# Altium PCB H-00488.PcbDoc (part 2 of 9) (continued)
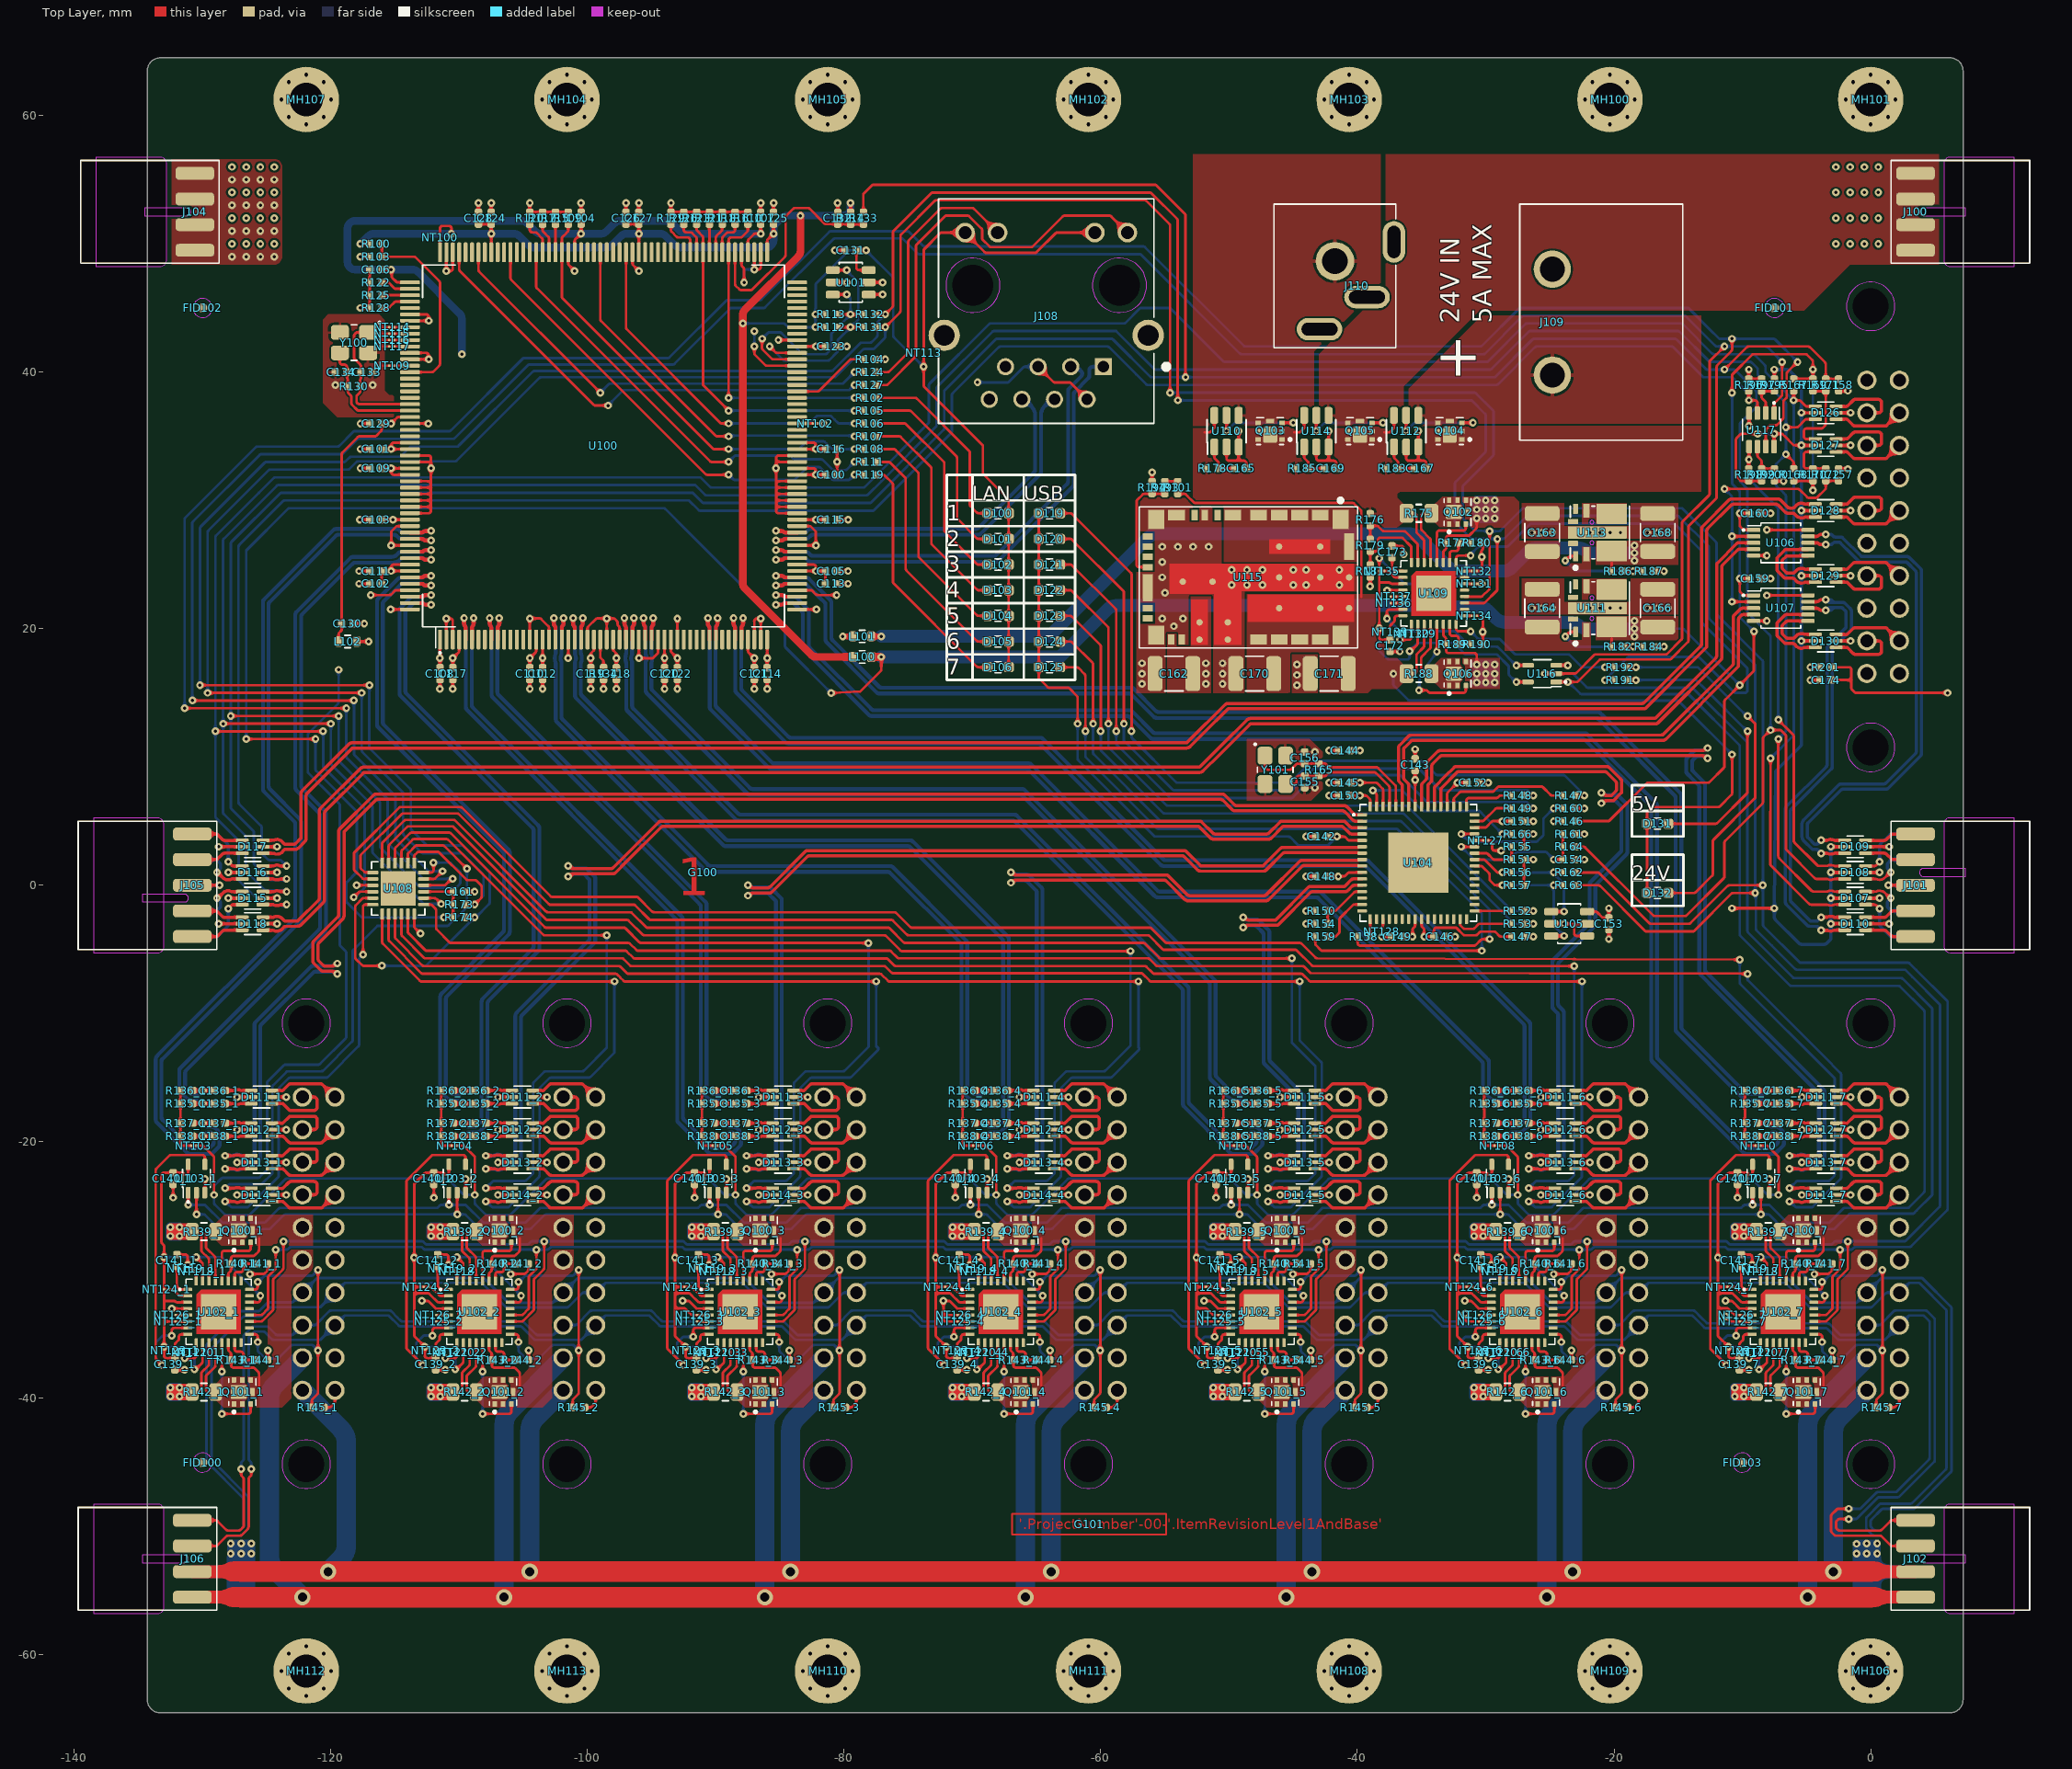
[diagram p0: Top Layer view]
## Footprints (in the part's own frame and the unit in brackets; to place one, negate y for a bottom-side part, rotate by r counter-clockwise, add the part's x,y. Pads: shape width x height; smd on the part's side, far side on the other; paste and mask are expansions set on the pad) (continued)
  round 1.5 hole 1 paste-1.5: A1(-11.43,-1.27) A2(-8.89,-1.27) A3(-6.35,-1.27) A4(-3.81,-1.27) A5(-1.27,-1.27) A6(1.27,-1.27) A7(3.81,-1.27) A8(6.35,-1.27) A9(8.89,-1.27) A10(11.43,-1.27) B1(-11.43,1.27) B2(-8.89,1.27) B3(-6.35,1.27) B4(-3.81,1.27) B5(-1.27,1.27) B6(1.27,1.27) B7(3.81,1.27) B8(6.35,1.27) B9(8.89,1.27) B10(11.43,1.27)
  round 1 hole 2.8 unplated paste-1 mask+0.9: M1(-17.19,0.97) M2(17.19,0.97)
  Keep-Out Layer circle w0.025: c17.19,0.97 r1.89
  Keep-Out Layer circle w0.025: c-17.19,0.97 r1.89
  silkscreen extent -19.95,-5.05 19.95,4.1, body extent -19.95,-4 19.95,4, height 11.61
HIBER_LOGO_COPPER_55x40 [mm] "Hiber Logo, Inverted, Copper, 5.5 x 4.0 mm"
  Top Layer pour cut-out: -2.159,2.921 2.159,2.921 2.159,-2.921 -2.159,-2.921
HIBER_PNSN_COPPER [mm] "Hiber PNSN, Copper Layer"
  Top Layer pour cut-out: -5.9,0.7 5.9,0.7 5.9,-0.7 -5.9,-0.7
  Top Layer lines w0.15: -6,-0.8 6,-0.8 6,0.8 -6,0.8 -6,-0.8
LABEL_200X65_OVERLAY [mm] "Label Placeholder; 1 pin, 20.00 mm L X 6.50 mm W X 0.00 mm H body"
  silkscreen extent -9.5,-3.25 9.5,3.25, body extent -9.4,-3.15 9.4,3.15, height 0.2
LEDC170X80X80L20_GREEN [mm] "LED, Chip; 1.70 mm L X 0.80 mm W X 0.80 mm H body"
  rrect50% 0.8x0.8 smd: A(0.825,0) C(-0.825,0)
  silkscreen extent -0.25,-0.43 0.25,0.43, body extent -0.8,-0.4 0.8,0.4, height 0.6
MOLEX_387007502 [mm] "Connector, Terminal Block; 2 pin, 18.40 mm L X 12.70 mm W X 12.70 mm H body (Molex - )"
  round 2.91 hole 1.94 paste-2.91: 1(-4.13,3.81) 2(4.13,3.81)
  silkscreen extent -9.2,-6.35 9.2,6.35, body extent -9.27,-6.35 9.27,6.35, height 12.71
MTGP510H260V8H25 [mm] "Mounting Hole, Plated; 5.10 mm Pad, 2.60 mm Hole (with 8 vias) (Pan Head - M2.5 - Tight Fit)"
  round 5.1 hole 2.6 paste-5.1: 1(0,0)
NEXPERIA_SOT1220 [mm] "Quad Flat No-Lead (QFN with Tab), 0.65 mm pitch; 8 pin, 2.10 mm L X 2.10 mm W X 0.65 mm H body (Nexperia - SOT1220)"
  rrect25% 0.35x0.43 smd: 1(-0.65,-0.935) 2(0,-0.935) 3(0.65,-0.935) 4(0.65,0.935) 5(0,0.935) 6(-0.65,0.935)
  rrect25% 1.25x1.1 smd paste-0.096: 7(-0.285,0)
  rrect25% 0.35x0.66 smd: 8(0.775,0)
  silkscreen extent -1.05,-1.65 1.05,1.05, body extent -1.05,-1.05 1.05,1.05, height 0.65
NT200 [mm]
  round 0.2 smd paste-1 mask+0.102: 1(-0.2,0) 2(0.2,0)
  Top Layer region: -0.2,-0.099 0.2,-0.099 0.2,0.101 -0.2,0.101
OSCCC320X250X60L90X110 [mm] "Oscillator, Corner Concave; 3.20 mm L X 2.50 mm W X 0.60 mm H body (Epson - TSX-3225)"
  rrect43% 1.4x1.15 smd: 1(-1.1,-0.8) 2(1.1,-0.8) 3(1.1,0.8) 4(-1.1,0.8)
  silkscreen extent -2.07,-1.64 0.22,1.39, body extent -1.6,-1.25 1.6,1.25, height 0.6
QFN25P50_400X400X100L40X24T270 [mm] "Quad Flat No-Lead (QFN with Tab), 0.50 mm pitch; square, 6 pin X 6 pin, 4.00 mm L X 4.00 mm W X 1.00 mm H body (Texas Instruments - RGE S-PVQFN-N24)"
  rrect50% 0.28x0.85 smd: 1(-1.25,-1.975) 2(-0.75,-1.975) 3(-0.25,-1.975) 4(0.25,-1.975) 5(0.75,-1.975) 6(1.25,-1.975) 13(1.25,1.975) 14(0.75,1.975) 15(0.25,1.975) 16(-0.25,1.975) 17(-0.75,1.975) 18(-1.25,1.975)
  rrect50% 0.85x0.28 smd: 7(1.975,-1.25) 8(1.975,-0.75) 9(1.975,-0.25) 10(1.975,0.25) 11(1.975,0.75) 12(1.975,1.25) 19(-1.975,1.25) 20(-1.975,0.75) 21(-1.975,0.25) 22(-1.975,-0.25) 23(-1.975,-0.75) 24(-1.975,-1.25)
  rect 2.7x2.7 smd paste-2.7: 25(0,0)
  silkscreen extent -2.08,-2.08 2.08,2.08, body extent -2.05,-2.05 2.05,2.05, height 1
QFN33P50_500X500X80L40X25T345 [mm] "Quad Flat No-Lead (QFN with Tab), 0.50 mm pitch; square, 8 pin X 8 pin, 5.00 mm L X 5.00 mm W X 0.80 mm H body (Analog Devices - 05-08-1693 UH32)"
  rrect56% 0.25x0.7 smd: 1(-1.75,-2.4) 2(-1.25,-2.4) 3(-0.75,-2.4) 4(-0.25,-2.4) 5(0.25,-2.4) 6(0.75,-2.4) 7(1.25,-2.4) 8(1.75,-2.4) 17(1.75,2.4) 18(1.25,2.4) 19(0.75,2.4) 20(0.25,2.4) 21(-0.25,2.4) 22(-0.75,2.4) 23(-1.25,2.4) 24(-1.75,2.4)
  rrect56% 0.7x0.25 smd: 9(2.4,-1.75) 10(2.4,-1.25) 11(2.4,-0.75) 12(2.4,-0.25) 13(2.4,0.25) 14(2.4,0.75) 15(2.4,1.25) 16(2.4,1.75) 25(-2.4,1.75) 26(-2.4,1.25) 27(-2.4,0.75) 28(-2.4,0.25) 29(-2.4,-0.25) 30(-2.4,-0.75) 31(-2.4,-1.25) 32(-2.4,-1.75)
  rect 2.75x2.75 smd paste-2.75 mask-2.75: 33(0,0)
  Top Layer region: 1.725,-1.725 -1.375,-1.725 -1.725,-1.375 -1.725,1.725 1.725,1.725 1.725,-1.725
  silkscreen extent -2.55,-3.09 2.55,2.55, body extent -2.55,-2.55 2.55,2.55, height 0.8
QFN65P50_900X900X100L40X24T470N [mm] "Quad Flat No-Lead (QFN with Tab), 0.50 mm pitch; square, 16 pin X 16 pin, 9.00 mm L X 9.00 mm W X 1.00 mm H body (Microchip - 64-QFN)"
  rrect54% 0.26x0.76 smd: 1(-3.75,-4.385) 2(-3.25,-4.385) 3(-2.75,-4.385) 4(-2.25,-4.385) 5(-1.75,-4.385) 6(-1.25,-4.385) 7(-0.75,-4.385) 8(-0.25,-4.385) 9(0.25,-4.385) 10(0.75,-4.385) 11(1.25,-4.385) 12(1.75,-4.385) 13(2.25,-4.385) 14(2.75,-4.385) 15(3.25,-4.385) 16(3.75,-4.385) 33(3.75,4.385) 34(3.25,4.385) 35(2.75,4.385) 36(2.25,4.385) 37(1.75,4.385) 38(1.25,4.385) 39(0.75,4.385) 40(0.25,4.385) 41(-0.25,4.385) 42(-0.75,4.385) 43(-1.25,4.385) 44(-1.75,4.385) 45(-2.25,4.385) 46(-2.75,4.385) 47(-3.25,4.385) 48(-3.75,4.385)
  rrect54% 0.76x0.26 smd: 17(4.385,-3.75) 18(4.385,-3.25) 19(4.385,-2.75) 20(4.385,-2.25) 21(4.385,-1.75) 22(4.385,-1.25) 23(4.385,-0.75) 24(4.385,-0.25) 25(4.385,0.25) 26(4.385,0.75) 27(4.385,1.25) 28(4.385,1.75) 29(4.385,2.25) 30(4.385,2.75) 31(4.385,3.25) 32(4.385,3.75) 49(-4.385,3.75) 50(-4.385,3.25) 51(-4.385,2.75) 52(-4.385,2.25) 53(-4.385,1.75) 54(-4.385,1.25) 55(-4.385,0.75) 56(-4.385,0.25) 57(-4.385,-0.25) 58(-4.385,-0.75) 59(-4.385,-1.25) 60(-4.385,-1.75) 61(-4.385,-2.25) 62(-4.385,-2.75) 63(-4.385,-3.25) 64(-4.385,-3.75)
  rect 4.7x4.7 smd paste-4.7: 65(0,0)
  silkscreen extent -4.55,-5.11 4.55,4.55, body extent -4.55,-4.55 4.55,4.55, height 1
QFP208P50_3120X3120X410L88X22N [mm] "Quad Flat Pack (QFP), 0.50 mm pitch; square, 52 pin X 52 pin, 28.00 mm L X 28.00 mm W X 4.10 mm H body (Micrel - 208-Pin PQFP PQ)"
  rrect53% 0.3x1.54 smd: 1(-12.75,-15.09) 2(-12.25,-15.09) 3(-11.75,-15.09) 4(-11.25,-15.09) 5(-10.75,-15.09) 6(-10.25,-15.09) 7(-9.75,-15.09) 8(-9.25,-15.09) 9(-8.75,-15.09) 10(-8.25,-15.09) 11(-7.75,-15.09) 12(-7.25,-15.09) 13(-6.75,-15.09) 14(-6.25,-15.09) 15(-5.75,-15.09) 16(-5.25,-15.09) 17(-4.75,-15.09) 18(-4.25,-15.09) 19(-3.75,-15.09) 20(-3.25,-15.09) 21(-2.75,-15.09) 22(-2.25,-15.09) 23(-1.75,-15.09) 24(-1.25,-15.09) 25(-0.75,-15.09) 26(-0.25,-15.09) 27(0.25,-15.09) 28(0.75,-15.09) 29(1.25,-15.09) 30(1.75,-15.09) 31(2.25,-15.09) 32(2.75,-15.09) 33(3.25,-15.09) 34(3.75,-15.09) 35(4.25,-15.09) 36(4.75,-15.09) 37(5.25,-15.09) 38(5.75,-15.09) 39(6.25,-15.09) 40(6.75,-15.09) 41(7.25,-15.09) 42(7.75,-15.09) 43(8.25,-15.09) 44(8.75,-15.09) 45(9.25,-15.09) 46(9.75,-15.09) 47(10.25,-15.09) 48(10.75,-15.09) 49(11.25,-15.09) 50(11.75,-15.09) 51(12.25,-15.09) 52(12.75,-15.09) 105(12.75,15.09) 106(12.25,15.09) 107(11.75,15.09) 108(11.25,15.09) 109(10.75,15.09) 110(10.25,15.09) 111(9.75,15.09) 112(9.25,15.09) 113(8.75,15.09) 114(8.25,15.09) 115(7.75,15.09) 116(7.25,15.09) 117(6.75,15.09) 118(6.25,15.09) 119(5.75,15.09) 120(5.25,15.09) 121(4.75,15.09) 122(4.25,15.09) 123(3.75,15.09) 124(3.25,15.09) 125(2.75,15.09) 126(2.25,15.09) 127(1.75,15.09) 128(1.25,15.09) 129(0.75,15.09) 130(0.25,15.09) 131(-0.25,15.09) 132(-0.75,15.09) 133(-1.25,15.09) 134(-1.75,15.09) 135(-2.25,15.09) 136(-2.75,15.09) 137(-3.25,15.09) 138(-3.75,15.09) 139(-4.25,15.09) 140(-4.75,15.09) 141(-5.25,15.09) 142(-5.75,15.09) 143(-6.25,15.09) 144(-6.75,15.09) 145(-7.25,15.09) 146(-7.75,15.09) 147(-8.25,15.09) 148(-8.75,15.09) 149(-9.25,15.09) 150(-9.75,15.09) 151(-10.25,15.09) 152(-10.75,15.09) 153(-11.25,15.09) 154(-11.75,15.09) 155(-12.25,15.09) 156(-12.75,15.09)
  rrect53% 1.54x0.3 smd: 53(15.09,-12.75) 54(15.09,-12.25) 55(15.09,-11.75) 56(15.09,-11.25) 57(15.09,-10.75) 58(15.09,-10.25) 59(15.09,-9.75) 60(15.09,-9.25) 61(15.09,-8.75) 62(15.09,-8.25) 63(15.09,-7.75) 64(15.09,-7.25) 65(15.09,-6.75) 66(15.09,-6.25) 67(15.09,-5.75) 68(15.09,-5.25) 69(15.09,-4.75) 70(15.09,-4.25) 71(15.09,-3.75) 72(15.09,-3.25) 73(15.09,-2.75) 74(15.09,-2.25) 75(15.09,-1.75) 76(15.09,-1.25) 77(15.09,-0.75) 78(15.09,-0.25) 79(15.09,0.25) 80(15.09,0.75) 81(15.09,1.25) 82(15.09,1.75) 83(15.09,2.25) 84(15.09,2.75) 85(15.09,3.25) 86(15.09,3.75) 87(15.09,4.25) 88(15.09,4.75) 89(15.09,5.25) 90(15.09,5.75) 91(15.09,6.25) 92(15.09,6.75) 93(15.09,7.25) 94(15.09,7.75) 95(15.09,8.25) 96(15.09,8.75) 97(15.09,9.25) 98(15.09,9.75) 99(15.09,10.25) 100(15.09,10.75) 101(15.09,11.25) 102(15.09,11.75) 103(15.09,12.25) 104(15.09,12.75) 157(-15.09,12.75) 158(-15.09,12.25) 159(-15.09,11.75) 160(-15.09,11.25) 161(-15.09,10.75) 162(-15.09,10.25) 163(-15.09,9.75) 164(-15.09,9.25) 165(-15.09,8.75) 166(-15.09,8.25) 167(-15.09,7.75) 168(-15.09,7.25) 169(-15.09,6.75) 170(-15.09,6.25) 171(-15.09,5.75) 172(-15.09,5.25) 173(-15.09,4.75) 174(-15.09,4.25) 175(-15.09,3.75) 176(-15.09,3.25) 177(-15.09,2.75) 178(-15.09,2.25) 179(-15.09,1.75) 180(-15.09,1.25) 181(-15.09,0.75) 182(-15.09,0.25) 183(-15.09,-0.25) 184(-15.09,-0.75) 185(-15.09,-1.25) 186(-15.09,-1.75) 187(-15.09,-2.25) 188(-15.09,-2.75) 189(-15.09,-3.25) 190(-15.09,-3.75) 191(-15.09,-4.25) 192(-15.09,-4.75) 193(-15.09,-5.25) 194(-15.09,-5.75) 195(-15.09,-6.25) 196(-15.09,-6.75) 197(-15.09,-7.25) 198(-15.09,-7.75) 199(-15.09,-8.25) 200(-15.09,-8.75) 201(-15.09,-9.25) 202(-15.09,-9.75) 203(-15.09,-10.25) 204(-15.09,-10.75) 205(-15.09,-11.25) 206(-15.09,-11.75) 207(-15.09,-12.25) 208(-15.09,-12.75)
  silkscreen extent -14.1,-16.2 14.1,14.1, body extent -15.6,-15.6 15.6,15.6, height 4.1
RESC100X50X40L25N [mm] "Resistor, Chip; 1.00 mm L X 0.50 mm W X 0.40 mm H body (Panasonic - Inch 0402, Metric 1005)"
  rrect52% 0.54x0.58 smd: 1(-0.48,0) 2(0.48,0)
  body extent -0.5,-0.25 0.5,0.25, height 0.4
RESC200X125X70L40M [mm] "Resistor, Chip; 2.00 mm L X 1.25 mm W X 0.70 mm H body (Panasonic - Inch 0805, Metric 2012)"
  rrect46% 1.09x1.48 smd: 1(-0.965,0) 2(0.965,0)
  silkscreen extent -0.2,-0.68 0.2,0.68, body extent -1,-0.63 1,0.63, height 0.7
RESC200X125X70L40N [mm] "Resistor, Chip; 2.00 mm L X 1.25 mm W X 0.70 mm H body (Panasonic - Inch 0805, Metric 2012)"
  rrect51% 0.99x1.38 smd: 1(-0.915,0) 2(0.915,0)
  silkscreen extent -0.24,-0.68 0.24,0.68, body extent -1,-0.63 1,0.63, height 0.7
SOP10P50_300X490X110L55X25 [mm] "Small Outline Pkg (SOP), 0.50 mm pitch; 10 pin, 3.00 mm L X 3.00 mm W X 1.10 mm H body (ON Semiconductor - CASE 846B-03)"
  rrect50% 0.32x1.04 smd: 1(-1,-2.12) 2(-0.5,-2.12) 3(0,-2.12) 4(0.5,-2.12) 5(1,-2.12) 6(1,2.12) 7(0.5,2.12) 8(0,2.12) 9(-0.5,2.12) 10(-1,2.12)
  silkscreen extent -1.55,-2.98 1.55,1.55, body extent -1.5,-2.45 1.5,2.45, height 1.1
SOT23-5P65_210X110L36X22 [mm] "Small Outline Transistor (SOT23), 0.65 mm pitch; 5 pin, 2.00 mm L X 1.25 mm W X 1.10 mm H body (Texas Instruments - DCK R-PDSO-G5)"
  rrect53% 0.38x0.9 smd: 1(-0.65,-1.1) 2(0,-1.1) 3(0.65,-1.1) 4(0.65,1.1) 5(-0.65,1.1)
  silkscreen extent -1.08,-1.89 1.08,0.7, body extent -1,-1.05 1,1.05, height 1.1
SOT23-6P95_270X145L35X35 [mm] "Small Outline Transistor (SOT23), 0.95 mm pitch; 6 pin, 2.90 mm L X 1.55 mm W X 1.45 mm H body (Microchip - SOT23-6)"
  rrect50% 0.6x1.1 smd: 1(-0.95,-1.4) 2(0,-1.4) 3(0.95,-1.4) 4(0.95,1.4) 5(0,1.4) 6(-0.95,1.4)
  silkscreen extent -1.55,-0.9 1.55,0.9, body extent -1.45,-1.35 1.45,1.35, height 1.45
SOT23-6P95_280X110L45X40M [mm] "Small Outline Transistor (SOT23), 0.95 mm pitch; 6 pin, 2.90 mm L X 1.60 mm W X 1.10 mm H body (Texas Instruments - DDC0006A)"
  rrect49% 0.61x1.3 smd: 1(-0.95,-1.23) 2(0,-1.23) 3(0.95,-1.23) 4(0.95,1.23) 5(0,1.23) 6(-0.95,1.23)
  silkscreen extent -1.53,-1.81 1.53,0.88, body extent -1.45,-1.4 1.45,1.4, height 1.1
SOT23-8P65_280X110L45X30 [mm] "Small Outline Transistor (SOT23), 0.65 mm pitch; 8 pin, 2.90 mm L X 1.60 mm W X 1.10 mm H body (Texas Instruments - DDF0008A)"
  rrect49% 0.45x1.05 smd: 1(-0.975,-1.3) 2(-0.325,-1.3) 3(0.325,-1.3) 4(0.975,-1.3) 5(0.975,1.3) 6(0.325,1.3) 7(-0.325,1.3) 8(-0.975,1.3)
  silkscreen extent -1.48,-2.17 1.48,0.83, body extent -1.45,-1.4 1.45,1.4, height 1.1
TI_RKH0009A [mm] "Quad Flat No-Lead (QFN with Tab); 9 pin, 4.50 mm L X 4.00 mm W X 2.10 mm H body (Texas Instruments - RKH0009A)"
  rrect25% 0.4x0.8 smd paste-0.05 mask-0.05: 1(-1.9,-1.85) 6(-1.9,1.85)
  rrect20% 0.5x1.1 smd paste-0.05 mask-0.05: 2(-1.05,-1.7) 5(-1.05,1.7)
  rrect6% 2.35x1.6 smd paste-2.35 mask-2.35: 3(0.925,-1.45) 4(0.925,1.45)
  rrect25% 0.8x0.4 smd paste-0.05 mask-0.05: 7(-2.1,0.85) 9(-2.1,-0.85)
  rrect10% 4.6x0.96 smd paste-4.6 mask-4.6: 8(-0.2,0)
  Top Layer keep-out circle w0.025: c-0.625,0.8 r0.15
  Top Layer keep-out circle w0.025: c-0.625,-0.8 r0.15
  silkscreen extent -2.3,-2.87 2.3,2.05, body extent -2.25,-2 2.25,2, height 2.11
TI_RLX0041A [mm] "Quad Flat Pack (QFP with Tab); 41 pin, 10.00 mm L X 16.00 mm W X 4.10 mm H body (Texas Instruments - RLX0041A)"
  rect 1.5x1.27 smd paste-1.5 mask-1.5: 1(-4.5,7.185) 11(-4.5,-7.185) 19(4.5,-7.185) 28(4.5,7.185)
  rect 0.8x1.3 smd paste-1.3 mask-1.3: 2(-4.85,5.6) 3(-4.85,4) 4(-4.85,2.4) 5(-4.85,0.8) 6(-4.85,-1.2) 10(-4.85,-5.6) 24(4.85,0.8) 25(4.85,2.4) 26(4.85,4) 27(4.85,5.6)
  rect 0.8x0.5 smd paste-0.05 mask-0.05: 7(-4.85,-2.4) 8(-4.85,-3.4) 9(-4.85,-4.2) 20(4.85,-6) 21(4.85,-5.2)
  rect 0.5x0.8 smd paste-0.05 mask-0.05: 12(-3.2,-7.85) 13(-2.4,-7.85) 14(-1.6,-7.85) 15(-0.8,-7.85) 17(2.4,-7.85) 18(3.2,-7.85)
  rect 2.1x0.8 smd paste-2.1 mask-2.1: 16(0.8,-7.85) 31(-2.4,7.85)
  round 0.5 smd paste-0.5 mask-0.5: 22(4.85,-3.8) 23(4.85,-1.6) 29(2.4,7.85) 30(0,7.85) 32(-2.397,5.6) 33(-2.4,2.4) 34(0,5.6) 35(0,2.4) 36(2.4,5.6) 37(2.4,2.4) 38(3.5,-1.6) 39(3.5,-3.8) 40(0.335,-2.79) 41(0.335,-5.11)
  Top Layer region: 5.25,-4.45 1.75,-4.45 1.75,-3.15 5.25,-3.15
  Top Layer region: 1.35,-0.05 1.35,8.25 3.45,8.25 3.45,-0.05 1.35,-0.05
  Top Layer region: -1.05,8.25 1.05,8.25 1.05,-0.55 5.25,-0.55 5.25,-2.65 1.26,-2.65 1.26,-6.12 -1.05,-6.12 -1.05,8.25
  Top Layer region: -2.95,1.63 -2.95,6.37 -1.85,6.37 -1.85,1.63 -2.95,1.63
  silkscreen extent -6.15,-8.51 5.51,8.51, body extent -5,-7.96 5,8.04, height 4.1
TITLEBLOCK-A4 [mm]
WURTH_74990101241 [mm] "Connector, RJ45 Vertical; 14 pin, 16.80 mm L X 17.50 mm W X 17.50 mm H body (Wurth - 74990101241)"
  rect 1.34x1.34 / inner round 1.34 / far side rect 1.34x1.34 hole 0.89 paste-1.34: 1(-4.45,4.33)
  round 1.34 hole 0.89 paste-1.34: 2(-3.18,6.87) 3(-1.91,4.33) 4(-0.64,6.87) 5(0.63,4.33) 6(1.9,6.87) 7(3.17,4.33) 8(4.44,6.87)
  round 1.53 hole 1.02 paste-1.53: 9(-6.325,-6.13) 10(-3.785,-6.13) 11(3.785,-6.13) 12(6.325,-6.13)
  round 2.45 hole 1.63 paste-2.45: M1(-7.95,1.88) M2(7.95,1.88)
  round 1 hole 3.2 unplated paste-1 mask+1.1: M3(-5.715,-2.02) M4(5.715,-2.02)
  Keep-Out Layer circle w0.025: c5.715,-2.02 r2.11
  Keep-Out Layer circle w0.025: c-5.715,-2.02 r2.11
  silkscreen extent -9.55,-8.75 8.4,8.75, body extent -8.3,-8.73 8.3,8.17, height 17.01

## Part data
C100 C101 C102 C103 C104 C105 C106 C107 C108 C109 C110 C111 C112 C113 C114 C115 C116 C117 C118 C119 C120 C121 C122 C123 C124 C125 C126 C127 C128 C129 C130 C131 C132 C135_1 C135_2 C135_3 C135_4 C135_5 C135_6 C135_7 C136_1 C136_2 C136_3 C136_4 C136_5 C136_6 C136_7 C137_1 C137_2 C137_3 C137_4 C137_5 C137_6 C137_7 C138_1 C138_2 C138_3 C138_4 C138_5 C138_6 C138_7 C139_1 C139_2 C139_3 C139_4 C139_5 C139_6 C139_7 C140_1 C140_2 C140_3 C140_4 C140_5 C140_6 C140_7 C141_1 C141_2 C141_3 C141_4 C141_5 C141_6 C141_7 C143 C144 C146 C149 C150 C151 C152 C153 C154 C157 C158 C159 C160 C161 C172 C173 C174: library part CMP-00367-3, "CAP Standard 0402 (1005) 100,0nF 10V X7R (Standard)", Case/Package="0402 (1005)", Dielectric=X7R, Rated Voltage=10V, Tolerance=10%, Failure Rate=N/A, Mount=SMT, Pins=2, Qualification=Standard, RoHS=Yes, Termination Finish="100% Matte Sn", Type=Ceramic
C133 C134 C155 C156: library part CMP-00401-3, "CAP Standard 0402 (1005) 18,0pF 50V C0G (Standard)", Case/Package="0402 (1005)", Dielectric=C0G, Rated Voltage=50V, Tolerance=5%, Failure Rate=N/A, Mount=SMD, Pins=2, Qualification=Standard, RoHS=Yes, Termination Finish="100% Matte Sn", Type=Ceramic
C142 C145 C147 C148: library part CMP-00827-3, "CAP Standard 0402 (1005) 1,0uF 16V X5R (Standard)", Case/Package="0402 (1005)", Dielectric=X5R, Rated Voltage=16V, Tolerance=10%, Failure Rate=N/A, Mount=SMD, Pins=2, Qualification=Standard, RoHS=Yes, Termination Finish="100% Matte Sn", Type=Ceramic
C162 C163 C164: library part CMP-00463-1, "CAP Standard 1210 (3225) 10,0uF 50V X7R (Standard)", Case/Package="1210 (3225)", Dielectric=X7R, Rated Voltage=50V, Tolerance=10%, Failure Rate=N/A, Mount="Surface Mount", Pins=2, Qualification=Standard, RoHS=Yes, Termination Finish="100% Matte Sn", Type=Ceramic
C165 C167 C169: library part CMP-00404-3, "CAP Standard 0402 (1005) 22,0nF 50V X7R (Standard)", Case/Package="0402 (1005)", Dielectric=X7R, Rated Voltage=50V, Tolerance=10%, Failure Rate=N/A, Mount=SMD, Pins=2, Qualification=Standard, RoHS=Yes, Termination Finish="100% Matte Sn", Type=Ceramic
C166 C168 C170 C171: library part CMP-00658-1, "CAP Standard 1210 (3225) 47,0uF 10V X7R (Standard)", Case/Package="1210 (3225)", Dielectric=X7R, Rated Voltage=10V, Tolerance=20%, Failure Rate=N/A, Mount="Surface Mount", Pins=2, Qualification=Standard, RoHS=Yes, Termination Finish="100% Matte Sn", Type=Ceramic
D100 D101 D102 D103 D104 D105 D106 D119 D120 D121 D122 D123 D124 D125 D131 D132: library part CMP-00431-1, "LED Green Diffused 0603 SMD", Case Code (Imperial)=0603, Case Code (Metric)=1608, Color=Green, Forward Current=20mA, Forward Voltage=2,5V, Illumination Colour=Red, Lens Colour=White, Max Operating Temperature=85°C, Min Operating Temperature=-40°C, Package Quantity=1, Case/Package=0603, Chip Structure=AlGaInP, Dominant Wavelength=630nm, Height=0.46mm, Lead Free="Lead Free", Length=1.6mm, Lens Style="Clear, Colorless, Diffused, Rectangular", Lens Transparency=Diffused, Luminous Intensity=6.3mcd, Mount="Surface Mount", Number of LEDs=1, Number of Pins=2, Packaging="Tape and Reel", Radiation Hardening=No, Test Current=20mA, Typical Wavelength=560nm, Viewing Angle=140°, Wavelength=630nm, Width=0.8mm
D107 D108 D109 D110 D111_1 D111_2 D111_3 D111_4 D111_5 D111_6 D111_7 D112_1 D112_2 D112_3 D112_4 D112_5 D112_6 D112_7 D113_1 D113_2 D113_3 D113_4 D113_5 D113_6 D113_7 D114_1 D114_2 D114_3 D114_4 D114_5 D114_6 D114_7 D115 D116 D117 D118 D126 D127 D128 D129 D130: library part CMP-00780-2, "TVS DIODE 5.25VWM 17VC SOT666", Breakdown Voltage=6V, Capacitance=3.5pF, Case/Package=SOT-666, Clamping Voltage=17V, Leakage Current=150nA, Max Operating Temperature=125°C, Min Operating Temperature=-40°C, Operating Supply Voltage=5V, Package Quantity=1, Peak Pulse Current=5A, Power Line Protection=Yes, Test Current=1mA, Contact Plating="Matte, Tin", Depth=1.3mm, Direction="Bidirectional, Unidirectional", Element Configuration=Dual, ESD Protection=Yes, Height=0.6mm, Lead Free="Lead Free", Length=1.7mm, Max Breakdown Voltage=6V, Max Reverse Leakage Current=150nA, Min Breakdown Voltage=6V, Mount="Surface Mount", Number of Bidirectional Channels=2, Number of Channels=2, Number of Elements=1, Number of Pins=6, Packaging="Tape and Reel", Polarity="Bidirectional, Unidirectional", Qualification=Standard, Radiation Hardening=No, REACH SVHC="No SVHC", Reverse Breakdown Voltage=6V, Reverse Standoff Voltage=5V, RoHS=Yes, Termination=SMD/SMT, Width=1.3mm, Working Voltage=5V
FID100 FID101 FID102 FID103: library part CMP-00519-1, "Fiducial"
G100: library part CMP-00553-6, "Hiber Logo"
G101: library part CMP-00558-6, "Hiber Fabrication Partnumber"
J100 J102 J104 J106: library part CMP-01083-5, "CONN SSL BRIDGE 8POS 2MM", Mount=TH, RoHS=Yes
J101 J105: library part CMP-01075-4, "AVX INTERCONNECT - 009159010061916 - CARD EDGE CONN, DUAL SIDE, 10POS, SMD", Mount=TH, RoHS=Yes
J103_1 J103_2 J103_3 J103_4 J103_5 J103_6 J103_7 J107: library part CMP-01077-1, "Board Euro Connector", Connector Type="BOARD EURO CONNECTOR", Mount=TH, RoHS=Yes
J108: library part CMP-01134-4, "Datacom Transformer", JESD-609 Code=e3, Mount=TH, RoHS=Yes, Terminal Finish=Tin, Transformer Type="DATACOM TRANSFORMER"
J109: library part CMP-01125-1, "Barrier Strip Terminal Block, 1 Row(s), 1 Deck(s)", Fastening Method=SCREW, Mount=Board, Number of Decks=1, Number of Rows=1, Number of Ways=2, RoHS=Yes, Safety Approval=UL,CSA, Terminal and Terminal Block Type="BARRIER STRIP TERMINAL BLOCK"
J110: library part CMP-01102-2, "Circular DC Power Connector", Mount=TH, RoHS=Yes
L100 L101 L102: library part CMP-00417-3, "IND, Automotive, Chip Ferrite Bead, Power Lines, 0603, 120R, 2A", Case/Package="0603 (1608)", Maximum DC Resistance=50m, Rated Current=2A, Tolerance=25%, Impedance=120, Qualification=Automotive, Termination Finish=Tin
MH100 MH101 MH102 MH103 MH104 MH105 MH106 MH107 MH108 MH109 MH110 MH111 MH112 MH113: library part CMP-00668-11, "Mounting Hole"
MP100: library part CMP-00552-5, "Label Placeholder 0.75\" x 0.25\" (Zebra 10015764)"
NT100 NT101 NT102 NT103 NT104 NT105 NT106 NT107 NT108 NT109 NT110 NT111 NT112 NT113 NT114 NT115 NT116 NT117 NT118_1 NT118_2 NT118_3 NT118_4 NT118_5 NT118_6 NT118_7 NT119_1 NT119_2 NT119_3 NT119_4 NT119_5 NT119_6 NT119_7 NT120_1 NT120_2 NT120_3 NT120_4 NT120_5 NT120_6 NT120_7 NT121_1 NT121_2 NT121_3 NT121_4 NT121_5 NT121_6 NT121_7 NT122_1 NT122_2 NT122_3 NT122_4 NT122_5 NT122_6 NT122_7 NT123_1 NT123_2 NT123_3 NT123_4 NT123_5 NT123_6 NT123_7 NT124_1 NT124_2 NT124_3 NT124_4 NT124_5 NT124_6 NT124_7 NT125_1 NT125_2 NT125_3 NT125_4 NT125_5 NT125_6 NT125_7 NT126_1 NT126_2 NT126_3 NT126_4 NT126_5 NT126_6 NT126_7 NT127 NT128 NT129 NT130 NT131 NT132 NT133 NT134 NT135 NT136 NT137: library part CMP-00523-9, "Net Tie, Inline"
PCB100: library part CMP-00011-3, "Title Block and PCB BOM Line Item"
Q100_1 Q100_2 Q100_3 Q100_4 Q100_5 Q100_6 Q100_7 Q101_1 Q101_2 Q101_3 Q101_4 Q101_5 Q101_6 Q101_7 Q102 Q103 Q104 Q105 Q106: library part CMP-01110-3, "BUK7D25 Series 40V Surface-Mounted N-channel Trench MOSFET - SOT1118", Case/Package=SOT1220, Mount=Surface-Mount, Qualification=Standard, RoHS=Yes
R100 R102 R103 R104 R105 R106 R107 R108 R109 R110 R111 R115 R116 R117 R118 R119 R120 R121 R122 R123 R124 R125 R126 R127 R128 R129 R144_1 R144_2 R144_3 R144_4 R144_5 R144_6 R144_7 R147 R148 R149 R152 R153 R158 R159 R171 R172 R179 R180 R191 R192: library part CMP-00272-8, "RES Standard Thick Film 0402 1K20 ±1% 0,063W", Case/Package="0402 (1005)", Rated Power=63mW, Rated Voltage=50V, Tolerance=1%, Failure Rate=N/A, Mount="Surface Mount", Pins=2, Qualification=Automotive, RoHS=Yes, Termination Finish="Pure tin solder contacts on Ni barrier layer", Type="Standard Thick Film"
R101 R143_1 R143_2 R143_3 R143_4 R143_5 R143_6 R143_7 R177 R193: library part CMP-00301-7, "RES Standard Thick Film 0402 20K0 ±1% 0,063W", Case/Package="0402 (1005)", Rated Power=63mW, Rated Voltage=50V, Tolerance=1%, Failure Rate=N/A, Mount="Surface Mount", Pins=2, Qualification=Automotive, RoHS=Yes, Termination Finish="Pure tin solder contacts on Ni barrier layer", Type="Standard Thick Film"
R112 R113 R114 R140_1 R140_2 R140_3 R140_4 R140_5 R140_6 R140_7 R150 R151 R154 R155 R156 R157 R160 R161 R169 R170 R181 R182 R186 R189 R194 R195 R196 R198 R199 R201: library part CMP-00294-7, "RES Standard Thick Film 0402 10K0 ±1% 0,063W", Case/Package="0402 (1005)", Rated Power=63mW, Rated Voltage=50V, Tolerance=1%, Failure Rate=N/A, Mount="Surface Mount", Pins=2, Qualification=Automotive, RoHS=Yes, Termination Finish="Pure tin solder contacts on Ni barrier layer", Type="Standard Thick Film"
R130 R165: library part CMP-00342-7, "RES Standard Thick Film 0402 1M00 ±1% 0,063W", Case/Package="0402 (1005)", Rated Power=63mW, Rated Voltage=50V, Tolerance=1%, Failure Rate=N/A, Mount="Surface Mount", Pins=2, Qualification=Automotive, RoHS=Yes, Termination Finish="Pure tin solder contacts on Ni barrier layer", Type="Standard Thick Film"
R131 R132 R133 R146 R162 R163 R164: library part CMP-00197-9, "RES Standard Thick Film 0402 0R00 ±1% 0,063W", Case/Package="0402 (1005)", Rated Power=63mW, Rated Voltage=50V, Tolerance=1%, Failure Rate=N/A, Mount="Surface Mount", Pins=2, Qualification=Automotive, RoHS=Yes, Termination Finish="Pure tin solder contacts on Ni barrier layer", Type="Standard Thick Film"
R134: library part CMP-00281-8, "RES Standard Thick Film 0402 3K00 ±1% 0,063W", Case/Package="0402 (1005)", Rated Power=63mW, Rated Voltage=50V, Tolerance=1%, Failure Rate=N/A, Mount="Surface Mount", Pins=2, Qualification=Automotive, RoHS=Yes, Termination Finish="Pure tin solder contacts on Ni barrier layer", Type="Standard Thick Film"
R135_1 R135_2 R135_3 R135_4 R135_5 R135_6 R135_7 R136_1 R136_2 R136_3 R136_4 R136_5 R136_6 R136_7 R137_1 R137_2 R137_3 R137_4 R137_5 R137_6 R137_7 R138_1 R138_2 R138_3 R138_4 R138_5 R138_6 R138_7 R145_1 R145_2 R145_3 R145_4 R145_5 R145_6 R145_7 R178 R183 R185: library part CMP-00238-8, "RES Standard Thick Film 0402 47R0 ±1% 0,063W", Case/Package="0402 (1005)", Rated Power=63mW, Rated Voltage=50V, Tolerance=1%, Failure Rate=N/A, Mount="Surface Mount", Pins=2, Qualification=Automotive, RoHS=Yes, Termination Finish="Pure tin solder contacts on Ni barrier layer", Type="Standard Thick Film"
R139_1 R139_2 R139_3 R139_4 R139_5 R139_6 R139_7 R142_1 R142_2 R142_3 R142_4 R142_5 R142_6 R142_7: library part CMP-01104-2, "RES Power Metal Strip 0805 0R025 ±1% 0,125W", Case/Package=0805(2012), Rated Power=125mW, Tolerance=1%, Mount="Surface Mount", Pins=2, Qualification=Automotive, RoHS=Yes, Type="Power Metal Strip"
R141_1 R141_2 R141_3 R141_4 R141_5 R141_6 R141_7 R167 R168 R173 R174 R187 R190: library part CMP-00284-8, "RES Standard Thick Film 0402 3K90 ±1% 0,063W", Case/Package="0402 (1005)", Rated Power=63mW, Rated Voltage=50V, Tolerance=1%, Failure Rate=N/A, Mount="Surface Mount", Pins=2, Qualification=Automotive, RoHS=Yes, Termination Finish="Pure tin solder contacts on Ni barrier layer", Type="Standard Thick Film"
R166: library part CMP-00296-7, "RES Standard Thick Film 0402 12K0 ±1% 0,063W", Case/Package="0402 (1005)", Rated Power=63mW, Rated Voltage=50V, Tolerance=1%, Failure Rate=N/A, Mount="Surface Mount", Pins=2, Qualification=Automotive, RoHS=Yes, Termination Finish="Pure tin solder contacts on Ni barrier layer", Type="Standard Thick Film"
R175 R188: library part CMP-00544-3, "RES Power Metal Strip 0805 0R01 ±1% 0,5W", Case/Package=0805(2012), Rated Power=500mW, Tolerance=1%, Mount=SMD, Pins=2, Qualification=Automotive, RoHS=Yes, Type="Power Metal Strip"
R176: library part CMP-00325-7, "RES Standard Thick Film 0402 200K ±1% 0,063W", Case/Package="0402 (1005)", Rated Power=63mW, Rated Voltage=50V, Tolerance=1%, Failure Rate=N/A, Mount="Surface Mount", Pins=2, Qualification=Automotive, RoHS=Yes, Termination Finish="Pure tin solder contacts on Ni barrier layer", Type="Standard Thick Film"
R184 R197 R200: library part CMP-00278-8, "RES Standard Thick Film 0402 2K20 ±1% 0,063W", Case/Package="0402 (1005)", Rated Power=63mW, Rated Voltage=50V, Tolerance=1%, Failure Rate=N/A, Mount="Surface Mount", Pins=2, Qualification=Automotive, RoHS=Yes, Termination Finish="Pure tin solder contacts on Ni barrier layer", Type="Standard Thick Film"
U100: library part CMP-01072-7, "LAN Switching Circuit, PQFP208", Max Operating Temperature=85°C, Min Operating Temperature=-40°C, Package Body Material=Plastic, Package Code=FQFP, Package Shape=Square, Package Style="FLATPACK, FINE PITCHMeter", Peak Reflow Temperature (Cel)=260°C, Supply Voltage-Nom=2.1V, Temperature Grade=INDUSTRIAL, Time @ Peak Reflow Temperature-Max (s)=40s, Height - Seated (Max)=3.8mm, JESD-30 Code=S-PQFP-G208, JESD-609 Code=e3, Length=28mm, Moisture Sensitivity Level=3, Number of Functions=1, Number of Pins=208, Qualification Status="Not Qualified", Surface Mount=Yes, Telecom IC Type="LAN SWITCHING CIRCUIT", Terminal Finish=Tin, Terminal Form="Gull Wing", Terminal Pitch=0.5mm, Terminal Position=QUAD, Width=28mm
U101 U105: library part CMP-01106-2, "EEPROM, 256X8, Serial, CMOS, PDSO5", Peak Reflow Temperature (Cel)=260°C, Time @ Peak Reflow Temperature-Max (s)=40s, JESD-609 Code=e3, Memory Type=EEPROM, Moisture Sensitivity Level=1, Serial Bus Type=I2C, Terminal Finish=Tin
U102_1 U102_2 U102_3 U102_4 U102_5 U102_6 U102_7 U109: library part CMP-01087-7, "Power Supply Support Circuit, Adjustable, 2 Channel, CMOS, PQCC32", Max Operating Temperature=85°C, Min Operating Temperature=-40°C, Package Body Material=Plastic, Package Code=HVQCCN, Package Shape=Square, Package Style="CHIP CARRIER, HEAT SINK/SLUG, VERY THIN PROFILEMeter", Peak Reflow Temperature (Cel)=260°C, Supply Voltage-Max (Vsup)=29V, Supply Voltage-Min (Vsup)=2.9V, Supply Voltage-Nom (Vsup)=12V, Temperature Grade=INDUSTRIAL, Time @ Peak Reflow Temperature-Max (s)=30s, Adjustable Threshold=Yes, Analog IC - Other Type="POWER SUPPLY SUPPORT CIRCUIT", Height - Seated (Max)=0.8mm, JESD-30 Code=S-PQCC-N32, JESD-609 Code=e3, Length=5mm, Moisture Sensitivity Level=1, Number of Channels=2, Number of Functions=1, Number of Pins=32, Qualification Status="Not Qualified", Surface Mount=Yes, Terminal Finish=Tin, Terminal Form="No Lead", Terminal Pitch=0.5mm, Terminal Position=QUAD, Width=5mm
U103_1 U103_2 U103_3 U103_4 U103_5 U103_6 U103_7 U116: library part CMP-01092-2, "Bus Driver, LVC/LCX/Z Series, 1-Func, 1-Bit, True Output, CMOS, PDSO5", Load Capacitance (CL)=50pF, Max Operating Temperature=125°C, Min Operating Temperature=-40°C, Package Body Material=Plastic, Package Code=TSSOP, Package Equivalence Code=TSSOP5/6,.08, Package Shape=Rectangular, Package Style="SMALL OUTLINE, THIN PROFILE, SHRINK PITCHMeter", Peak Reflow Temperature (Cel)=260°C, Power Supplies=3.3V, Supply Voltage-Max (Vsup)=5.5V, Supply Voltage-Min (Vsup)=1.65V, Temperature Grade=AUTOMOTIVE, Control Type="ENABLE LOW", Height - Seated (Max)=1.1mm, JESD-30 Code=R-PDSO-G5, JESD-609 Code=e4, Length=2mm, Load/Preset Input=Yes, Logic IC Type="BUS DRIVER", Max I(ol)=24mA, Moisture Sensitivity Level=1, Number of Bits=1, Number of Functions=1, Number of Pins=5, Number of Ports=2, Output Characteristics=3-STATE, Output Polarity=True, Packaging="Tape and Reel", Prop. Delay@Nom-Sup=4.5ns, Propagation Delay (tpd)=9ns, Qualification Status="Not Qualified", Supply Voltage-Nom (Vsup)=3.3V, Surface Mount=Yes, Technology=CMOS, Terminal Finish=Nickel, Terminal Form="Gull Wing", Terminal Pitch=0.65mm, Terminal Position=DUAL, Width=1.25mm
U104: library part CMP-01073-9, "USB Bus Controller, CMOS", Max Frequency=24MHz, Max Operating Temperature=85°C, Max Supply Voltage=3.6V, Min Operating Temperature=-40°C, Min Supply Voltage=3V, Package Code=HVQCCN, Package Shape=Square, Package Style="CHIP CARRIER, HEAT SINK/SLUG, VERY THIN PROFILEMeter", Supply Voltage-Nom=3.3V, Temperature Grade=INDUSTRIAL, Height - Seated (Max)=1mm, Length=9mm, Number of Pins=64, Qualification Status="Not Qualified", Surface Mount=Yes, Technology=CMOS, Terminal Form="No Lead", Terminal Pitch=0.5mm, Terminal Position=QUAD, Width=9mm
U106 U107: library part CMP-00416-7, "IC USB SWITCH DPDT 10MSOP", Case/Package=MSOP, Current=100mA, Max Operating Temperature=85°C, Max Supply Voltage=4.3V, Min Operating Temperature=-40°C, Min Supply Voltage=3V, On-State Resistance=6.5R, Package Quantity=1, Data Rate=480Mbps, Height=0.85mm, Lead Free="Lead Free", Length=3mm, Mount="Surface Mount", Number of Channels=2, Number of Inputs=2, Number of Outputs=4, Number of Pins=10, Operating Supply Voltage=4.3V, Packaging="Tape and Reel", Radiation Hardening=No, REACH SVHC="No SVHC", Supply Type=Single, Throw Configuration=DPDT, Voltage=4.3V, Weight=0.1125g, Width=3mm
U108: library part CMP-01089-1, "Multiplexer, 9548 Series, 1-Func, 1 Line Input, 8 Line Output, True Output, PQCC24", Max Operating Temperature=85°C, Min Operating Temperature=-40°C, Package Body Material=Plastic, Package Code=HVQCCN, Package Shape=Square, Package Style="CHIP CARRIER, HEAT SINK/SLUG, VERY THIN PROFILEMeter", Supply Voltage-Max (Vsup)=5.5V, Supply Voltage-Min (Vsup)=1.65V, Supply Voltage-Nom (Vsup)=1.8V, Temperature Grade=INDUSTRIAL, Height - Seated (Max)=1mm, JESD-609 Code=e4, Length=4mm, Logic IC Type=MULTIPLEXER, Moisture Sensitivity Level=2, Number of Functions=1, Number of Inputs=1, Number of Outputs=8, Number of Pins=24, Output Polarity=True, Propagation Delay (tpd)=1ns, Surface Mount=Yes, Terminal Finish=Nickel, Terminal Form="No Lead", Terminal Pitch=0.5mm, Terminal Position=QUAD, Width=4mm
U110 U112 U114: library part CMP-01122-2, "Half Bridge Based MOSFET Driver, PDSO6", Max Operating Temperature=125°C, Max Supply Voltage=75V, Min Operating Temperature=-40°C, Min Supply Voltage=5V, Package Body Material=Plastic, Package Code=TSSOP, Package Equivalence Code=TSOP6,.11,37, Package Shape=Rectangular, Package Style="SMALL OUTLINE, THIN PROFILE, SHRINK PITCHMeter", Peak Reflow Temperature (Cel)=260°C, Power Supplies=12V, Temperature Grade=AUTOMOTIVE, Height - Seated (Max)=1.1mm, High Side Driver=Yes, Interface IC Type="HALF BRIDGE BASED MOSFET DRIVER", JESD-30 Code=R-PDSO-G6, JESD-609 Code=e3, Length=2.9mm, Moisture Sensitivity Level=1, Number of Functions=1, Number of Pins=6, Qualification Status="Not Qualified", Supply Voltage-Nom=12V, Surface Mount=Yes, Terminal Finish=Tin, Terminal Form="Gull Wing", Terminal Pitch=0.95mm, Terminal Position=DUAL, Width=1.6mm
U111 U113: library part CMP-01146-2, "Switching Regulator, 2.5A, 923kHz Switching Freq-Max, PQCC9"
U115: library part CMP-01147-5, "Switching Regulator, 6A, 2200kHz Switching Freq-Max, PQMA41"
U117: library part CMP-01129-2, "Micropower small size comparator (dual, open-drain output) 8-SOT-23-THIN -40 to 125"
Y100: library part CMP-01105-2, "Parallel - Fundamental Quartz Crystal, 25MHz Nom", Case/Package=SMD/SMT, Frequency=25MHz, Frequency Stability=0.0018%, Frequency Tolerance=10ppm, Max Operating Temperature=85°C, Min Operating Temperature=-40°C, Operating Frequency-Nom=250, Series Resistance=40R, Additional Feature="TAPE AND REEL", Aging="1 PPM/FIRST YEAR", Crystal/Resonator Type="PARALLEL - FUNDAMENTAL", Drive Level=1uW, JESD-609 Code=e4, Mount="Surface Mount", Pins=2, Qualification=Standard, RoHS=Yes, Terminal Finish=Nickel
Y101: library part CMP-00387-3, "Parallel - Fundamental Quartz Crystal, 24MHz Nom", Case/Package=SMD/SMT, ESR (Equivalent Series Resistance)=40R, Frequency=24MHz, Frequency Stability=15ppm, Frequency Tolerance=10ppm, Load Capacitance=9pF, Max Operating Temperature=85°C, Min Operating Temperature=-40°C, Package Quantity=250, Height=0.024inch, Lead Free="Lead Free", Length=0.126inch, Mount="Surface Mount", Packaging="Tape and Reel", Qualification=Standard, RoHS=Yes, Termination=SMD/SMT, Tolerance=10ppm, Weight=0.000564oz, Width=0.098inch

## Via types
v1: diameter 0.6, hole 0.25, Top Layer to Bottom Layer, 934 vias
v2: diameter 0.7, hole 0.3, Top Layer to Bottom Layer, 112 vias
v3: diameter 1.27, hole 0.711, Top Layer to Bottom Layer, 14 vias

## Nets (pads, with @x,y where several pads share a name; then routed paths per layer and width w, separated by ;. In a path a pad name is that pad's centre, name@x,y a point inside that pad or via, vN(x,y) a via of type N, cw(c..) or ccw(c..) an arc to the next point about the centre after c; other vN are vias at no path point)
ADIN1_1: U102_1.23
ADIN1_2: U102_2.23
ADIN1_3: U102_3.23
ADIN1_4: U102_4.23
ADIN1_5: U102_5.23
ADIN1_6: U102_6.23
ADIN1_7: U102_7.23
ADIN2_1: U102_1.18
ADIN2_2: U102_2.18
ADIN2_3: U102_3.18
ADIN2_4: U102_4.18
ADIN2_5: U102_5.18
ADIN2_6: U102_6.18
ADIN2_7: U102_7.18
ADR0_1: NT126_1.2 U102_1.5 | length 0.5
  Top Layer w0.2: NT126_1.2@-131.7,-33.504 U102_1.5@-131.15,-33.504
ADR0_2: NT126_2.2 U102_2.5 | length 1.1
  Top Layer w0.2: NT126_2.2@-111.38,-33.504 U102_2.5@-110.83,-33.504 NT126_2.2@-111.38,-33.504